# Altium PCB 智能马桶综合检测台_数据板V1.0.PcbDoc (part 8 of 8)
Units mil, origin at the board's own origin, x right, y up, seen from the top; angles counter-clockwise.
Board outline 5580 x 4007.36 mil, 2 copper layers (Top Layer, Bottom Layer); 109 components, 92 nets, 426 pads, 50 vias.
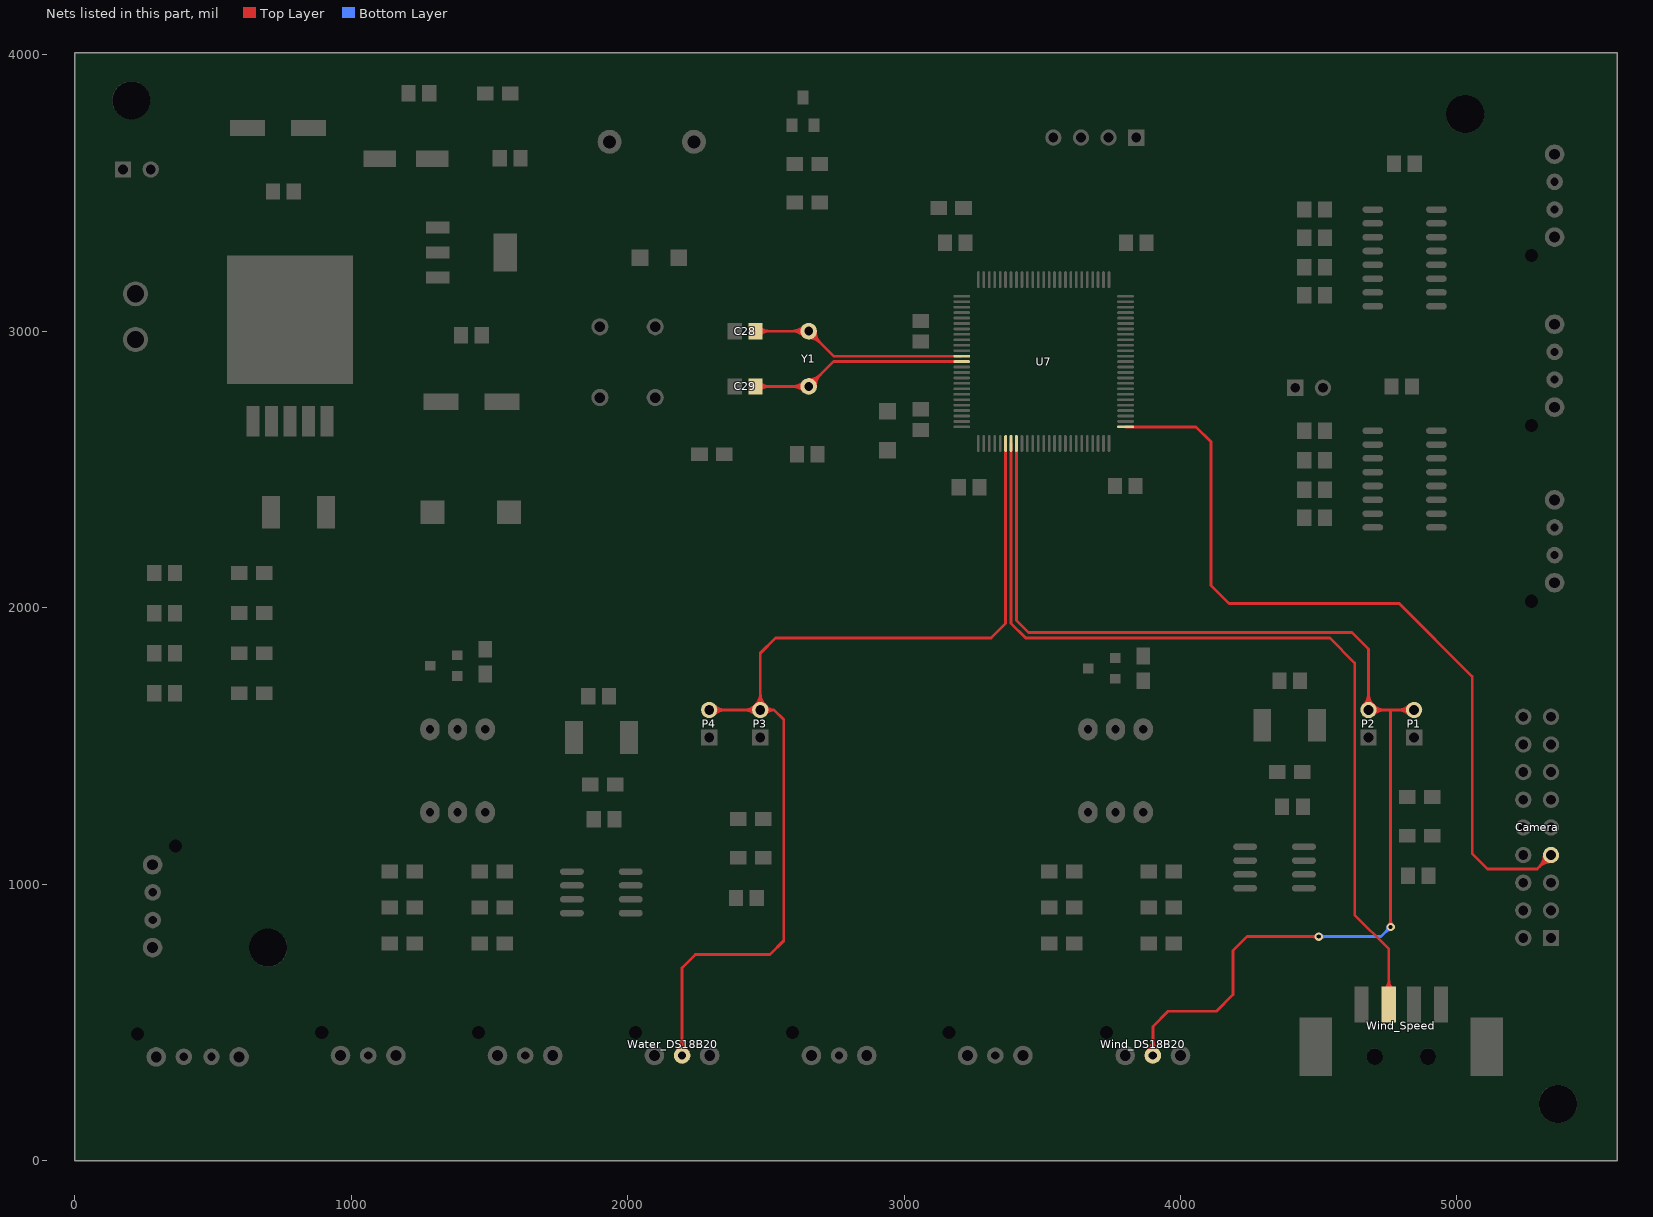
[diagram p8: the nets of this part, all layers, seen from the top]

## Via types
v1: diameter 30, hole 15, Top Layer to Bottom Layer, 31 vias
v2: diameter 40, hole 20, Top Layer to Bottom Layer, 19 vias

## Nets (pads, with @x,y where several pads share a name; then routed paths per layer and width w, separated by ;. In a path a pad name is that pad's centre, name@x,y a point inside that pad or via, vN(x,y) a via of type N, cw(c..) or ccw(c..) an arc to the next point about the centre after c; other vN are vias at no path point) (continued)
WATER_TEMP: P3.2 P4.2 U7.31 Water_DS18B20.2 | length 7848.7
  Top Layer w10: Water_DS18B20.2@2197,380 2197,697 2245,745 2515,745 2565,795 2565,1595 2530,1630 ; P4.2@2295,1630 2530,1630 ; P3.2@2480,1630 2480,1835 2535,1890 3315,1890 3367.2,1942.2 U7.31@3367.2,2593.74 ; Water_DS18B20.2@2179.32,397.68 ccw(c2136.64,440.36) 2197,440.36 ; Water_DS18B20.2@2179.32,397.68 ccw(c2136.64,440.36) 2197,440.36 ; Water_DS18B20.2@2179.32,397.68 ccw(c2136.64,440.36) 2197,440.36 ; Water_DS18B20.2@2179.32,397.68 ccw(c2136.64,440.36) 2197,440.36 ; Water_DS18B20.2@2179.32,397.68 ccw(c2136.64,440.36) 2197,440.36 ; Water_DS18B20.2@2179.32,397.68 ccw(c2136.64,440.36) 2197,440.36 ; Water_DS18B20.2@2186.39,390.61 ccw(c2160.79,416.21) 2197,416.21 ; Water_DS18B20.2@2186.39,390.61 ccw(c2160.79,416.21) 2197,416.21 ; Water_DS18B20.2@2186.39,390.61 ccw(c2160.79,416.21) 2197,416.21 ; Water_DS18B20.2@2186.39,390.61 ccw(c2160.79,416.21) 2197,416.21 ; Water_DS18B20.2@2186.39,390.61 ccw(c2160.79,416.21) 2197,416.21 ; Water_DS18B20.2@2186.39,390.61 ccw(c2160.79,416.21) 2197,416.21 ; 2197,416.21 ccw(c2233.21,416.21) Water_DS18B20.2@2207.61,390.61 ; 2197,416.21 ccw(c2233.21,416.21) Water_DS18B20.2@2207.61,390.61 ; 2197,416.21 ccw(c2233.21,416.21) Water_DS18B20.2@2207.61,390.61 ; 2197,416.21 ccw(c2233.21,416.21) Water_DS18B20.2@2207.61,390.61 ; 2197,416.21 ccw(c2233.21,416.21) Water_DS18B20.2@2207.61,390.61 ; 2197,416.21 ccw(c2233.21,416.21) Water_DS18B20.2@2207.61,390.61 ; 2197,440.36 ccw(c2257.36,440.36) Water_DS18B20.2@2214.68,397.68 ; 2197,440.36 ccw(c2257.36,440.36) Water_DS18B20.2@2214.68,397.68 ; 2197,440.36 ccw(c2257.36,440.36) Water_DS18B20.2@2214.68,397.68 ; 2197,440.36 ccw(c2257.36,440.36) Water_DS18B20.2@2214.68,397.68 ; 2197,440.36 ccw(c2257.36,440.36) Water_DS18B20.2@2214.68,397.68 ; 2197,440.36 ccw(c2257.36,440.36) Water_DS18B20.2@2214.68,397.68 ; P4.2@2305.27,1619.73 cw(c2330.07,1594.93) 2330.07,1630 ; P4.2@2305.27,1619.73 cw(c2330.07,1594.93) 2330.07,1630 ; P4.2@2305.27,1619.73 cw(c2330.07,1594.93) 2330.07,1630 ; P4.2@2305.27,1619.73 cw(c2330.07,1594.93) 2330.07,1630 ; P4.2@2305.27,1619.73 cw(c2330.07,1594.93) 2330.07,1630 ; P4.2@2305.27,1619.73 cw(c2330.07,1594.93) 2330.07,1630 ; P4.2@2305.27,1640.27 ccw(c2330.07,1665.07) 2330.07,1630 ; P4.2@2305.27,1640.27 ccw(c2330.07,1665.07) 2330.07,1630 ; P4.2@2305.27,1640.27 ccw(c2330.07,1665.07) 2330.07,1630 ; P4.2@2305.27,1640.27 ccw(c2330.07,1665.07) 2330.07,1630 ; P4.2@2305.27,1640.27 ccw(c2330.07,1665.07) 2330.07,1630 ; P4.2@2305.27,1640.27 ccw(c2330.07,1665.07) 2330.07,1630 ; P4.2@2312.34,1612.66 cw(c2354.21,1570.79) 2354.21,1630 ; P4.2@2312.34,1612.66 cw(c2354.21,1570.79) 2354.21,1630 ; P4.2@2312.34,1612.66 cw(c2354.21,1570.79) 2354.21,1630 ; P4.2@2312.34,1612.66 cw(c2354.21,1570.79) 2354.21,1630 ; P4.2@2312.34,1612.66 cw(c2354.21,1570.79) 2354.21,1630 ; P4.2@2312.34,1612.66 cw(c2354.21,1570.79) 2354.21,1630 ; P4.2@2312.34,1647.34 ccw(c2354.21,1689.21) 2354.21,1630 ; P4.2@2312.34,1647.34 ccw(c2354.21,1689.21) 2354.21,1630 ; P4.2@2312.34,1647.34 ccw(c2354.21,1689.21) 2354.21,1630 ; P4.2@2312.34,1647.34 ccw(c2354.21,1689.21) 2354.21,1630 ; P4.2@2312.34,1647.34 ccw(c2354.21,1689.21) 2354.21,1630 ; P4.2@2312.34,1647.34 ccw(c2354.21,1689.21) 2354.21,1630 ; 2420.79,1630 cw(c2420.79,1570.79) P3.2@2462.66,1612.66 ; 2420.79,1630 ccw(c2420.79,1689.21) P3.2@2462.66,1647.34 ; 2420.79,1630 ccw(c2420.79,1689.21) P3.2@2462.66,1647.34 ; 2420.79,1630 cw(c2420.79,1570.79) P3.2@2462.66,1612.66 ; 2420.79,1630 ccw(c2420.79,1689.21) P3.2@2462.66,1647.34 ; 2420.79,1630 cw(c2420.79,1570.79) P3.2@2462.66,1612.66 ; 2420.79,1630 ccw(c2420.79,1689.21) P3.2@2462.66,1647.34 ; 2420.79,1630 cw(c2420.79,1570.79) P3.2@2462.66,1612.66 ; 2420.79,1630 ccw(c2420.79,1689.21) P3.2@2462.66,1647.34 ; 2420.79,1630 cw(c2420.79,1570.79) P3.2@2462.66,1612.66 ; 2420.79,1630 ccw(c2420.79,1689.21) P3.2@2462.66,1647.34 ; 2420.79,1630 cw(c2420.79,1570.79) P3.2@2462.66,1612.66 ; 2444.93,1630 cw(c2444.93,1594.93) P3.2@2469.73,1619.73 ; 2444.93,1630 ccw(c2444.93,1665.07) P3.2@2469.73,1640.27 ; 2444.93,1630 ccw(c2444.93,1665.07) P3.2@2469.73,1640.27 ; 2444.93,1630 cw(c2444.93,1594.93) P3.2@2469.73,1619.73 ; 2444.93,1630 ccw(c2444.93,1665.07) P3.2@2469.73,1640.27 ; 2444.93,1630 cw(c2444.93,1594.93) P3.2@2469.73,1619.73 ; 2444.93,1630 ccw(c2444.93,1665.07) P3.2@2469.73,1640.27 ; 2444.93,1630 cw(c2444.93,1594.93) P3.2@2469.73,1619.73 ; 2444.93,1630 ccw(c2444.93,1665.07) P3.2@2469.73,1640.27 ; 2444.93,1630 cw(c2444.93,1594.93) P3.2@2469.73,1619.73 ; 2444.93,1630 ccw(c2444.93,1665.07) P3.2@2469.73,1640.27 ; 2444.93,1630 cw(c2444.93,1594.93) P3.2@2469.73,1619.73 ; P3.2@2462.66,1647.34 ccw(c2420.79,1689.21) 2480,1689.21 ; P3.2@2462.66,1647.34 ccw(c2420.79,1689.21) 2480,1689.21 ; P3.2@2462.66,1647.34 ccw(c2420.79,1689.21) 2480,1689.21 ; P3.2@2462.66,1647.34 ccw(c2420.79,1689.21) 2480,1689.21 ; P3.2@2462.66,1647.34 ccw(c2420.79,1689.21) 2480,1689.21 ; P3.2@2462.66,1647.34 ccw(c2420.79,1689.21) 2480,1689.21 ; P3.2@2469.73,1640.27 ccw(c2444.93,1665.07) 2480,1665.07 ; P3.2@2469.73,1640.27 ccw(c2444.93,1665.07) 2480,1665.07 ; P3.2@2469.73,1640.27 ccw(c2444.93,1665.07) 2480,1665.07 ; P3.2@2469.73,1640.27 ccw(c2444.93,1665.07) 2480,1665.07 ; P3.2@2469.73,1640.27 ccw(c2444.93,1665.07) 2480,1665.07 ; P3.2@2469.73,1640.27 ccw(c2444.93,1665.07) 2480,1665.07 ; 2480,1665.07 ccw(c2515.07,1665.07) P3.2@2490.27,1640.27 ; 2480,1665.07 ccw(c2515.07,1665.07) P3.2@2490.27,1640.27 ; 2480,1665.07 ccw(c2515.07,1665.07) P3.2@2490.27,1640.27 ; 2480,1665.07 ccw(c2515.07,1665.07) P3.2@2490.27,1640.27 ; 2480,1665.07 ccw(c2515.07,1665.07) P3.2@2490.27,1640.27 ; 2480,1665.07 ccw(c2515.07,1665.07) P3.2@2490.27,1640.27 ; 2480,1689.21 ccw(c2539.21,1689.21) P3.2@2497.34,1647.34 ; 2480,1689.21 ccw(c2539.21,1689.21) P3.2@2497.34,1647.34 ; 2480,1689.21 ccw(c2539.21,1689.21) P3.2@2497.34,1647.34 ; 2480,1689.21 ccw(c2539.21,1689.21) P3.2@2497.34,1647.34 ; 2480,1689.21 ccw(c2539.21,1689.21) P3.2@2497.34,1647.34 ; 2480,1689.21 ccw(c2539.21,1689.21) P3.2@2497.34,1647.34 ; P3.2@2491.49,1621.11 cw(c2509.61,1607.08) 2509.61,1630 ; P3.2@2491.49,1621.11 cw(c2509.61,1607.08) 2509.61,1630 ; P3.2@2491.49,1621.11 cw(c2509.61,1607.08) 2509.61,1630 ; P3.2@2491.49,1621.11 cw(c2509.61,1607.08) 2509.61,1630 ; P3.2@2491.49,1621.11 cw(c2509.61,1607.08) 2509.61,1630 ; P3.2@2491.49,1621.11 cw(c2509.61,1607.08) 2509.61,1630 ; P3.2@2491.49,1638.89 ccw(c2509.61,1652.92) 2509.61,1630 ; P3.2@2491.49,1638.89 ccw(c2509.61,1652.92) 2509.61,1630 ; P3.2@2491.49,1638.89 ccw(c2509.61,1652.92) 2509.61,1630 ; P3.2@2491.49,1638.89 ccw(c2509.61,1652.92) 2509.61,1630 ; P3.2@2491.49,1638.89 ccw(c2509.61,1652.92) 2509.61,1630 ; P3.2@2491.49,1638.89 ccw(c2509.61,1652.92) 2509.61,1630 ; P3.2@2499.4,1614.99 cw(c2530,1591.31) 2530,1630 ; P3.2@2499.4,1614.99 cw(c2530,1591.31) 2530,1630 ; P3.2@2499.4,1614.99 cw(c2530,1591.31) 2530,1630 ; P3.2@2499.4,1614.99 cw(c2530,1591.31) 2530,1630 ; P3.2@2499.4,1614.99 cw(c2530,1591.31) 2530,1630 ; P3.2@2499.4,1614.99 cw(c2530,1591.31) 2530,1630 ; P3.2@2499.4,1645.01 ccw(c2530,1668.69) 2530,1630 ; P3.2@2499.4,1645.01 ccw(c2530,1668.69) 2530,1630 ; P3.2@2499.4,1645.01 ccw(c2530,1668.69) 2530,1630 ; P3.2@2499.4,1645.01 ccw(c2530,1668.69) 2530,1630 ; P3.2@2499.4,1645.01 ccw(c2530,1668.69) 2530,1630 ; P3.2@2499.4,1645.01 ccw(c2530,1668.69) 2530,1630
WIND_SPEED: U7.32 Wind_Speed.2 | length 3707.6
  Top Layer w10: U7.32@3386.89,2593.74 3386.89,1943.11 3440,1890 4540,1890 4630,1800 4630,888.42 4753.42,765 Wind_Speed.2@4753.42,565 ; Wind_Speed.2@4738.87,618.93 ccw(c4703.72,654.08) 4753.43,654.08 ; Wind_Speed.2@4738.87,618.93 ccw(c4703.72,654.08) 4753.43,654.08 ; Wind_Speed.2@4738.87,618.93 ccw(c4703.72,654.08) 4753.43,654.08 ; Wind_Speed.2@4738.87,618.93 ccw(c4703.72,654.08) 4753.43,654.08 ; Wind_Speed.2@4738.87,618.93 ccw(c4703.72,654.08) 4753.43,654.08 ; Wind_Speed.2@4738.87,618.93 ccw(c4703.72,654.08) 4753.43,654.08 ; 4753.42,654.08 ccw(c4803.13,654.08) Wind_Speed.2@4767.98,618.93 ; 4753.42,654.08 ccw(c4803.13,654.08) Wind_Speed.2@4767.98,618.93 ; 4753.42,654.08 ccw(c4803.13,654.08) Wind_Speed.2@4767.98,618.93 ; 4753.42,654.08 ccw(c4803.13,654.08) Wind_Speed.2@4767.98,618.93 ; 4753.42,654.08 ccw(c4803.13,654.08) Wind_Speed.2@4767.98,618.93 ; 4753.42,654.08 ccw(c4803.13,654.08) Wind_Speed.2@4767.98,618.93
WIND_TEMP: P1.2 P2.2 U7.33 Wind_DS18B20.2 | length 8820.6
  Top Layer w10: U7.33@3406.57,2593.74 3406.57,1953.43 3450,1910 4620,1910 4680,1850 P2.2@4680,1630 P1.2@4845,1630 ; Wind_DS18B20.2@3900,380 3900,485 3955,540 4130,540 4190,600 4190,760 4240,810 v1(4500,810) ; v1(4760,845) 4760,1630 ; Wind_DS18B20.2@3882.32,397.68 ccw(c3839.64,440.36) 3900,440.36 ; Wind_DS18B20.2@3882.32,397.68 ccw(c3839.64,440.36) 3900,440.36 ; Wind_DS18B20.2@3882.32,397.68 ccw(c3839.64,440.36) 3900,440.36 ; Wind_DS18B20.2@3882.32,397.68 ccw(c3839.64,440.36) 3900,440.36 ; Wind_DS18B20.2@3882.32,397.68 ccw(c3839.64,440.36) 3900,440.36 ; Wind_DS18B20.2@3882.32,397.68 ccw(c3839.64,440.36) 3900,440.36 ; Wind_DS18B20.2@3889.39,390.61 ccw(c3863.79,416.21) 3900,416.21 ; Wind_DS18B20.2@3889.39,390.61 ccw(c3863.79,416.21) 3900,416.21 ; Wind_DS18B20.2@3889.39,390.61 ccw(c3863.79,416.21) 3900,416.21 ; Wind_DS18B20.2@3889.39,390.61 ccw(c3863.79,416.21) 3900,416.21 ; Wind_DS18B20.2@3889.39,390.61 ccw(c3863.79,416.21) 3900,416.21 ; Wind_DS18B20.2@3889.39,390.61 ccw(c3863.79,416.21) 3900,416.21 ; 3900,416.21 ccw(c3936.21,416.21) Wind_DS18B20.2@3910.61,390.61 ; 3900,416.21 ccw(c3936.21,416.21) Wind_DS18B20.2@3910.61,390.61 ; 3900,416.21 ccw(c3936.21,416.21) Wind_DS18B20.2@3910.61,390.61 ; 3900,416.21 ccw(c3936.21,416.21) Wind_DS18B20.2@3910.61,390.61 ; 3900,416.21 ccw(c3936.21,416.21) Wind_DS18B20.2@3910.61,390.61 ; 3900,416.21 ccw(c3936.21,416.21) Wind_DS18B20.2@3910.61,390.61 ; 3900,440.36 ccw(c3960.36,440.36) Wind_DS18B20.2@3917.68,397.68 ; 3900,440.36 ccw(c3960.36,440.36) Wind_DS18B20.2@3917.68,397.68 ; 3900,440.36 ccw(c3960.36,440.36) Wind_DS18B20.2@3917.68,397.68 ; 3900,440.36 ccw(c3960.36,440.36) Wind_DS18B20.2@3917.68,397.68 ; 3900,440.36 ccw(c3960.36,440.36) Wind_DS18B20.2@3917.68,397.68 ; 3900,440.36 ccw(c3960.36,440.36) Wind_DS18B20.2@3917.68,397.68 ; 4475.86,810 cw(c4475.86,785.86) v1@4492.93,802.93 ; 4475.86,810 ccw(c4475.86,834.14) v1@4492.93,817.07 ; 4475.86,810 ccw(c4475.86,834.14) v1@4492.93,817.07 ; 4475.86,810 cw(c4475.86,785.86) v1@4492.93,802.93 ; 4475.86,810 ccw(c4475.86,834.14) v1@4492.93,817.07 ; 4475.86,810 cw(c4475.86,785.86) v1@4492.93,802.93 ; 4475.86,810 ccw(c4475.86,834.14) v1@4492.93,817.07 ; 4475.86,810 cw(c4475.86,785.86) v1@4492.93,802.93 ; 4475.86,810 ccw(c4475.86,834.14) v1@4492.93,817.07 ; 4475.86,810 cw(c4475.86,785.86) v1@4492.93,802.93 ; 4475.86,810 ccw(c4475.86,834.14) v1@4492.93,817.07 ; 4475.86,810 cw(c4475.86,785.86) v1@4492.93,802.93 ; P2.2@4662.66,1647.34 ccw(c4620.79,1689.21) 4680,1689.21 ; P2.2@4662.66,1647.34 ccw(c4620.79,1689.21) 4680,1689.21 ; P2.2@4662.66,1647.34 ccw(c4620.79,1689.21) 4680,1689.21 ; P2.2@4662.66,1647.34 ccw(c4620.79,1689.21) 4680,1689.21 ; P2.2@4662.66,1647.34 ccw(c4620.79,1689.21) 4680,1689.21 ; P2.2@4662.66,1647.34 ccw(c4620.79,1689.21) 4680,1689.21 ; P2.2@4669.73,1640.27 ccw(c4644.93,1665.07) 4680,1665.07 ; P2.2@4669.73,1640.27 ccw(c4644.93,1665.07) 4680,1665.07 ; P2.2@4669.73,1640.27 ccw(c4644.93,1665.07) 4680,1665.07 ; P2.2@4669.73,1640.27 ccw(c4644.93,1665.07) 4680,1665.07 ; P2.2@4669.73,1640.27 ccw(c4644.93,1665.07) 4680,1665.07 ; P2.2@4669.73,1640.27 ccw(c4644.93,1665.07) 4680,1665.07 ; 4680,1665.07 ccw(c4715.07,1665.07) P2.2@4690.27,1640.27 ; 4680,1665.07 ccw(c4715.07,1665.07) P2.2@4690.27,1640.27 ; 4680,1665.07 ccw(c4715.07,1665.07) P2.2@4690.27,1640.27 ; 4680,1665.07 ccw(c4715.07,1665.07) P2.2@4690.27,1640.27 ; 4680,1665.07 ccw(c4715.07,1665.07) P2.2@4690.27,1640.27 ; 4680,1665.07 ccw(c4715.07,1665.07) P2.2@4690.27,1640.27 ; 4680,1689.21 ccw(c4739.21,1689.21) P2.2@4697.34,1647.34 ; 4680,1689.21 ccw(c4739.21,1689.21) P2.2@4697.34,1647.34 ; 4680,1689.21 ccw(c4739.21,1689.21) P2.2@4697.34,1647.34 ; 4680,1689.21 ccw(c4739.21,1689.21) P2.2@4697.34,1647.34 ; 4680,1689.21 ccw(c4739.21,1689.21) P2.2@4697.34,1647.34 ; 4680,1689.21 ccw(c4739.21,1689.21) P2.2@4697.34,1647.34 ; P2.2@4690.27,1619.73 cw(c4715.07,1594.93) 4715.07,1630 ; P2.2@4690.27,1619.73 cw(c4715.07,1594.93) 4715.07,1630 ; P2.2@4690.27,1619.73 cw(c4715.07,1594.93) 4715.07,1630 ; P2.2@4690.27,1619.73 cw(c4715.07,1594.93) 4715.07,1630 ; P2.2@4690.27,1619.73 cw(c4715.07,1594.93) 4715.07,1630 ; P2.2@4690.27,1619.73 cw(c4715.07,1594.93) 4715.07,1630 ; P2.2@4690.27,1640.27 ccw(c4715.07,1665.07) 4715.07,1630 ; P2.2@4690.27,1640.27 ccw(c4715.07,1665.07) 4715.07,1630 ; P2.2@4690.27,1640.27 ccw(c4715.07,1665.07) 4715.07,1630 ; P2.2@4690.27,1640.27 ccw(c4715.07,1665.07) 4715.07,1630 ; P2.2@4690.27,1640.27 ccw(c4715.07,1665.07) 4715.07,1630 ; P2.2@4690.27,1640.27 ccw(c4715.07,1665.07) 4715.07,1630 ; P2.2@4697.34,1612.66 cw(c4739.21,1570.79) 4739.21,1630 ; P2.2@4697.34,1612.66 cw(c4739.21,1570.79) 4739.21,1630 ; P2.2@4697.34,1612.66 cw(c4739.21,1570.79) 4739.21,1630 ; P2.2@4697.34,1612.66 cw(c4739.21,1570.79) 4739.21,1630 ; P2.2@4697.34,1612.66 cw(c4739.21,1570.79) 4739.21,1630 ; P2.2@4697.34,1612.66 cw(c4739.21,1570.79) 4739.21,1630 ; P2.2@4697.34,1647.34 ccw(c4739.21,1689.21) 4739.21,1630 ; P2.2@4697.34,1647.34 ccw(c4739.21,1689.21) 4739.21,1630 ; P2.2@4697.34,1647.34 ccw(c4739.21,1689.21) 4739.21,1630 ; P2.2@4697.34,1647.34 ccw(c4739.21,1689.21) 4739.21,1630 ; P2.2@4697.34,1647.34 ccw(c4739.21,1689.21) 4739.21,1630 ; P2.2@4697.34,1647.34 ccw(c4739.21,1689.21) 4739.21,1630 ; v1@4752.93,852.07 ccw(c4735.86,869.14) 4760,869.14 ; v1@4752.93,852.07 ccw(c4735.86,869.14) 4760,869.14 ; v1@4752.93,852.07 ccw(c4735.86,869.14) 4760,869.14 ; v1@4752.93,852.07 ccw(c4735.86,869.14) 4760,869.14 ; v1@4752.93,852.07 ccw(c4735.86,869.14) 4760,869.14 ; v1@4752.93,852.07 ccw(c4735.86,869.14) 4760,869.14 ; 4760,869.14 ccw(c4784.14,869.14) v1@4767.07,852.07 ; 4760,869.14 ccw(c4784.14,869.14) v1@4767.07,852.07 ; 4760,869.14 ccw(c4784.14,869.14) v1@4767.07,852.07 ; 4760,869.14 ccw(c4784.14,869.14) v1@4767.07,852.07 ; 4760,869.14 ccw(c4784.14,869.14) v1@4767.07,852.07 ; 4760,869.14 ccw(c4784.14,869.14) v1@4767.07,852.07 ; 4785.79,1630 cw(c4785.79,1570.79) P1.2@4827.66,1612.66 ; 4785.79,1630 ccw(c4785.79,1689.21) P1.2@4827.66,1647.34 ; 4785.79,1630 ccw(c4785.79,1689.21) P1.2@4827.66,1647.34 ; 4785.79,1630 cw(c4785.79,1570.79) P1.2@4827.66,1612.66 ; 4785.79,1630 ccw(c4785.79,1689.21) P1.2@4827.66,1647.34 ; 4785.79,1630 cw(c4785.79,1570.79) P1.2@4827.66,1612.66 ; 4785.79,1630 ccw(c4785.79,1689.21) P1.2@4827.66,1647.34 ; 4785.79,1630 cw(c4785.79,1570.79) P1.2@4827.66,1612.66 ; 4785.79,1630 ccw(c4785.79,1689.21) P1.2@4827.66,1647.34 ; 4785.79,1630 cw(c4785.79,1570.79) P1.2@4827.66,1612.66 ; 4785.79,1630 ccw(c4785.79,1689.21) P1.2@4827.66,1647.34 ; 4785.79,1630 cw(c4785.79,1570.79) P1.2@4827.66,1612.66 ; 4809.93,1630 cw(c4809.93,1594.93) P1.2@4834.73,1619.73 ; 4809.93,1630 ccw(c4809.93,1665.07) P1.2@4834.73,1640.27 ; 4809.93,1630 ccw(c4809.93,1665.07) P1.2@4834.73,1640.27 ; 4809.93,1630 cw(c4809.93,1594.93) P1.2@4834.73,1619.73 ; 4809.93,1630 ccw(c4809.93,1665.07) P1.2@4834.73,1640.27 ; 4809.93,1630 cw(c4809.93,1594.93) P1.2@4834.73,1619.73 ; 4809.93,1630 ccw(c4809.93,1665.07) P1.2@4834.73,1640.27 ; 4809.93,1630 cw(c4809.93,1594.93) P1.2@4834.73,1619.73 ; 4809.93,1630 ccw(c4809.93,1665.07) P1.2@4834.73,1640.27 ; 4809.93,1630 cw(c4809.93,1594.93) P1.2@4834.73,1619.73 ; 4809.93,1630 ccw(c4809.93,1665.07) P1.2@4834.73,1640.27 ; 4809.93,1630 cw(c4809.93,1594.93) P1.2@4834.73,1619.73
  Bottom Layer w10: v1(4500,810) 4725,810 v1(4760,845) ; v1@4507.07,802.93 cw(c4524.14,785.86) 4524.14,810 ; v1@4507.07,802.93 cw(c4524.14,785.86) 4524.14,810 ; v1@4507.07,802.93 cw(c4524.14,785.86) 4524.14,810 ; v1@4507.07,802.93 cw(c4524.14,785.86) 4524.14,810 ; v1@4507.07,802.93 cw(c4524.14,785.86) 4524.14,810 ; v1@4507.07,802.93 cw(c4524.14,785.86) 4524.14,810 ; v1@4507.07,817.07 ccw(c4524.14,834.14) 4524.14,810 ; v1@4507.07,817.07 ccw(c4524.14,834.14) 4524.14,810 ; v1@4507.07,817.07 ccw(c4524.14,834.14) 4524.14,810 ; v1@4507.07,817.07 ccw(c4524.14,834.14) 4524.14,810 ; v1@4507.07,817.07 ccw(c4524.14,834.14) 4524.14,810 ; v1@4507.07,817.07 ccw(c4524.14,834.14) 4524.14,810 ; 4742.93,827.93 cw(c4760,810.86) v1@4760,835 ; 4742.93,827.93 ccw(c4725.86,845) v1@4750,845 ; 4742.93,827.93 ccw(c4725.86,845) v1@4750,845 ; 4742.93,827.93 cw(c4760,810.86) v1@4760,835 ; 4742.93,827.93 ccw(c4725.86,845) v1@4750,845 ; 4742.93,827.93 cw(c4760,810.86) v1@4760,835 ; 4742.93,827.93 ccw(c4725.86,845) v1@4750,845 ; 4742.93,827.93 cw(c4760,810.86) v1@4760,835 ; 4742.93,827.93 ccw(c4725.86,845) v1@4750,845 ; 4742.93,827.93 cw(c4760,810.86) v1@4760,835 ; 4742.93,827.93 ccw(c4725.86,845) v1@4750,845 ; 4742.93,827.93 cw(c4760,810.86) v1@4760,835
XCLK: Camera.7 U7.51 | length 3790.6
  Top Layer w10: U7.51@3801.26,2653.78 4056.22,2653.78 4109.91,2600.09 4109.91,2080.09 4175,2015 4791.34,2015 5055,1751.34 5055,1110 5110,1055 5290,1055 Camera.7@5340,1105 ; 5298.13,1063.13 cw(c5340,1021.26) Camera.7@5340,1080.47 ; 5298.13,1063.13 ccw(c5256.26,1105) Camera.7@5315.47,1105 ; 5298.13,1063.13 ccw(c5256.26,1105) Camera.7@5315.47,1105 ; 5298.13,1063.13 cw(c5340,1021.26) Camera.7@5340,1080.47 ; 5298.13,1063.13 ccw(c5256.26,1105) Camera.7@5315.47,1105 ; 5298.13,1063.13 cw(c5340,1021.26) Camera.7@5340,1080.47 ; 5298.13,1063.13 ccw(c5256.26,1105) Camera.7@5315.47,1105 ; 5298.13,1063.13 cw(c5340,1021.26) Camera.7@5340,1080.47 ; 5298.13,1063.13 ccw(c5256.26,1105) Camera.7@5315.47,1105 ; 5298.13,1063.13 cw(c5340,1021.26) Camera.7@5340,1080.47 ; 5298.13,1063.13 ccw(c5256.26,1105) Camera.7@5315.47,1105 ; 5298.13,1063.13 cw(c5340,1021.26) Camera.7@5340,1080.47 ; 5315.2,1080.2 cw(c5340,1055.4) Camera.7@5340,1090.47 ; 5315.2,1080.2 ccw(c5290.4,1105) Camera.7@5325.47,1105 ; 5315.2,1080.2 ccw(c5290.4,1105) Camera.7@5325.47,1105 ; 5315.2,1080.2 cw(c5340,1055.4) Camera.7@5340,1090.47 ; 5315.2,1080.2 ccw(c5290.4,1105) Camera.7@5325.47,1105 ; 5315.2,1080.2 cw(c5340,1055.4) Camera.7@5340,1090.47 ; 5315.2,1080.2 ccw(c5290.4,1105) Camera.7@5325.47,1105 ; 5315.2,1080.2 cw(c5340,1055.4) Camera.7@5340,1090.47 ; 5315.2,1080.2 ccw(c5290.4,1105) Camera.7@5325.47,1105 ; 5315.2,1080.2 cw(c5340,1055.4) Camera.7@5340,1090.47 ; 5315.2,1080.2 ccw(c5290.4,1105) Camera.7@5325.47,1105 ; 5315.2,1080.2 cw(c5340,1055.4) Camera.7@5340,1090.47
XIN: C28.2 U7.12 Y1.1 | length 3072.5
  Top Layer w10: C28.2@2462.4,3000 Y1.1@2655,3000 2745.31,2909.69 U7.12@3208.74,2909.69 ; C28.2@2476.96,2985.44 cw(c2512.11,2950.29) 2512.11,3000 ; C28.2@2476.96,2985.44 cw(c2512.11,2950.29) 2512.11,3000 ; C28.2@2476.96,2985.44 cw(c2512.11,2950.29) 2512.11,3000 ; C28.2@2476.96,2985.44 cw(c2512.11,2950.29) 2512.11,3000 ; C28.2@2476.96,2985.44 cw(c2512.11,2950.29) 2512.11,3000 ; C28.2@2476.96,2985.44 cw(c2512.11,2950.29) 2512.11,3000 ; C28.2@2476.96,3014.56 ccw(c2512.11,3049.71) 2512.11,3000 ; C28.2@2476.96,3014.56 ccw(c2512.11,3049.71) 2512.11,3000 ; C28.2@2476.96,3014.56 ccw(c2512.11,3049.71) 2512.11,3000 ; C28.2@2476.96,3014.56 ccw(c2512.11,3049.71) 2512.11,3000 ; C28.2@2476.96,3014.56 ccw(c2512.11,3049.71) 2512.11,3000 ; C28.2@2476.96,3014.56 ccw(c2512.11,3049.71) 2512.11,3000 ; 2594.64,3000 cw(c2594.64,2939.64) Y1.1@2637.32,2982.32 ; 2594.64,3000 ccw(c2594.64,3060.36) Y1.1@2637.32,3017.68 ; 2594.64,3000 ccw(c2594.64,3060.36) Y1.1@2637.32,3017.68 ; 2594.64,3000 cw(c2594.64,2939.64) Y1.1@2637.32,2982.32 ; 2594.64,3000 ccw(c2594.64,3060.36) Y1.1@2637.32,3017.68 ; 2594.64,3000 cw(c2594.64,2939.64) Y1.1@2637.32,2982.32 ; 2594.64,3000 ccw(c2594.64,3060.36) Y1.1@2637.32,3017.68 ; 2594.64,3000 cw(c2594.64,2939.64) Y1.1@2637.32,2982.32 ; 2594.64,3000 ccw(c2594.64,3060.36) Y1.1@2637.32,3017.68 ; 2594.64,3000 cw(c2594.64,2939.64) Y1.1@2637.32,2982.32 ; 2594.64,3000 ccw(c2594.64,3060.36) Y1.1@2637.32,3017.68 ; 2594.64,3000 cw(c2594.64,2939.64) Y1.1@2637.32,2982.32 ; 2618.79,3000 cw(c2618.79,2963.79) Y1.1@2644.39,2989.39 ; 2618.79,3000 ccw(c2618.79,3036.21) Y1.1@2644.39,3010.61 ; 2618.79,3000 ccw(c2618.79,3036.21) Y1.1@2644.39,3010.61 ; 2618.79,3000 cw(c2618.79,2963.79) Y1.1@2644.39,2989.39 ; 2618.79,3000 ccw(c2618.79,3036.21) Y1.1@2644.39,3010.61 ; 2618.79,3000 cw(c2618.79,2963.79) Y1.1@2644.39,2989.39 ; 2618.79,3000 ccw(c2618.79,3036.21) Y1.1@2644.39,3010.61 ; 2618.79,3000 cw(c2618.79,2963.79) Y1.1@2644.39,2989.39 ; 2618.79,3000 ccw(c2618.79,3036.21) Y1.1@2644.39,3010.61 ; 2618.79,3000 cw(c2618.79,2963.79) Y1.1@2644.39,2989.39 ; 2618.79,3000 ccw(c2618.79,3036.21) Y1.1@2644.39,3010.61 ; 2618.79,3000 cw(c2618.79,2963.79) Y1.1@2644.39,2989.39 ; Y1.1@2655,2975 cw(c2655,2914.64) 2697.68,2957.32 ; Y1.1@2655,2975 cw(c2655,2914.64) 2697.68,2957.32 ; Y1.1@2655,2975 cw(c2655,2914.64) 2697.68,2957.32 ; Y1.1@2655,2975 cw(c2655,2914.64) 2697.68,2957.32 ; Y1.1@2655,2975 cw(c2655,2914.64) 2697.68,2957.32 ; Y1.1@2655,2975 cw(c2655,2914.64) 2697.68,2957.32 ; Y1.1@2655,2985 cw(c2655,2948.79) 2680.61,2974.39 ; Y1.1@2655,2985 cw(c2655,2948.79) 2680.61,2974.39 ; Y1.1@2655,2985 cw(c2655,2948.79) 2680.61,2974.39 ; Y1.1@2655,2985 cw(c2655,2948.79) 2680.61,2974.39 ; Y1.1@2655,2985 cw(c2655,2948.79) 2680.61,2974.39 ; Y1.1@2655,2985 cw(c2655,2948.79) 2680.61,2974.39 ; Y1.1@2670,3000 ccw(c2706.21,3000) 2680.61,2974.39 ; Y1.1@2670,3000 ccw(c2706.21,3000) 2680.61,2974.39 ; Y1.1@2670,3000 ccw(c2706.21,3000) 2680.61,2974.39 ; Y1.1@2670,3000 ccw(c2706.21,3000) 2680.61,2974.39 ; Y1.1@2670,3000 ccw(c2706.21,3000) 2680.61,2974.39 ; Y1.1@2670,3000 ccw(c2706.21,3000) 2680.61,2974.39 ; Y1.1@2680,3000 ccw(c2740.36,3000) 2697.68,2957.32 ; Y1.1@2680,3000 ccw(c2740.36,3000) 2697.68,2957.32 ; Y1.1@2680,3000 ccw(c2740.36,3000) 2697.68,2957.32 ; Y1.1@2680,3000 ccw(c2740.36,3000) 2697.68,2957.32 ; Y1.1@2680,3000 ccw(c2740.36,3000) 2697.68,2957.32 ; Y1.1@2680,3000 ccw(c2740.36,3000) 2697.68,2957.32
XOUT: C29.2 U7.13 Y1.2 | length 3072.4
  Top Layer w10: C29.2@2462.4,2800 Y1.2@2655,2800 2745,2890 U7.13@3208.74,2890 ; C29.2@2476.96,2785.44 cw(c2512.11,2750.29) 2512.11,2800 ; C29.2@2476.96,2785.44 cw(c2512.11,2750.29) 2512.11,2800 ; C29.2@2476.96,2785.44 cw(c2512.11,2750.29) 2512.11,2800 ; C29.2@2476.96,2785.44 cw(c2512.11,2750.29) 2512.11,2800 ; C29.2@2476.96,2785.44 cw(c2512.11,2750.29) 2512.11,2800 ; C29.2@2476.96,2785.44 cw(c2512.11,2750.29) 2512.11,2800 ; C29.2@2476.96,2814.56 ccw(c2512.11,2849.71) 2512.11,2800 ; C29.2@2476.96,2814.56 ccw(c2512.11,2849.71) 2512.11,2800 ; C29.2@2476.96,2814.56 ccw(c2512.11,2849.71) 2512.11,2800 ; C29.2@2476.96,2814.56 ccw(c2512.11,2849.71) 2512.11,2800 ; C29.2@2476.96,2814.56 ccw(c2512.11,2849.71) 2512.11,2800 ; C29.2@2476.96,2814.56 ccw(c2512.11,2849.71) 2512.11,2800 ; 2594.64,2800 cw(c2594.64,2739.64) Y1.2@2637.32,2782.32 ; 2594.64,2800 ccw(c2594.64,2860.36) Y1.2@2637.32,2817.68 ; 2594.64,2800 ccw(c2594.64,2860.36) Y1.2@2637.32,2817.68 ; 2594.64,2800 cw(c2594.64,2739.64) Y1.2@2637.32,2782.32 ; 2594.64,2800 ccw(c2594.64,2860.36) Y1.2@2637.32,2817.68 ; 2594.64,2800 cw(c2594.64,2739.64) Y1.2@2637.32,2782.32 ; 2594.64,2800 ccw(c2594.64,2860.36) Y1.2@2637.32,2817.68 ; 2594.64,2800 cw(c2594.64,2739.64) Y1.2@2637.32,2782.32 ; 2594.64,2800 ccw(c2594.64,2860.36) Y1.2@2637.32,2817.68 ; 2594.64,2800 cw(c2594.64,2739.64) Y1.2@2637.32,2782.32 ; 2594.64,2800 ccw(c2594.64,2860.36) Y1.2@2637.32,2817.68 ; 2594.64,2800 cw(c2594.64,2739.64) Y1.2@2637.32,2782.32 ; 2618.79,2800 cw(c2618.79,2763.79) Y1.2@2644.39,2789.39 ; 2618.79,2800 ccw(c2618.79,2836.21) Y1.2@2644.39,2810.61 ; 2618.79,2800 ccw(c2618.79,2836.21) Y1.2@2644.39,2810.61 ; 2618.79,2800 cw(c2618.79,2763.79) Y1.2@2644.39,2789.39 ; 2618.79,2800 ccw(c2618.79,2836.21) Y1.2@2644.39,2810.61 ; 2618.79,2800 cw(c2618.79,2763.79) Y1.2@2644.39,2789.39 ; 2618.79,2800 ccw(c2618.79,2836.21) Y1.2@2644.39,2810.61 ; 2618.79,2800 cw(c2618.79,2763.79) Y1.2@2644.39,2789.39 ; 2618.79,2800 ccw(c2618.79,2836.21) Y1.2@2644.39,2810.61 ; 2618.79,2800 cw(c2618.79,2763.79) Y1.2@2644.39,2789.39 ; 2618.79,2800 ccw(c2618.79,2836.21) Y1.2@2644.39,2810.61 ; 2618.79,2800 cw(c2618.79,2763.79) Y1.2@2644.39,2789.39 ; Y1.2@2655,2815 ccw(c2655,2851.21) 2680.61,2825.61 ; Y1.2@2655,2815 ccw(c2655,2851.21) 2680.61,2825.61 ; Y1.2@2655,2815 ccw(c2655,2851.21) 2680.61,2825.61 ; Y1.2@2655,2815 ccw(c2655,2851.21) 2680.61,2825.61 ; Y1.2@2655,2815 ccw(c2655,2851.21) 2680.61,2825.61 ; Y1.2@2655,2815 ccw(c2655,2851.21) 2680.61,2825.61 ; Y1.2@2655,2825 ccw(c2655,2885.36) 2697.68,2842.68 ; Y1.2@2655,2825 ccw(c2655,2885.36) 2697.68,2842.68 ; Y1.2@2655,2825 ccw(c2655,2885.36) 2697.68,2842.68 ; Y1.2@2655,2825 ccw(c2655,2885.36) 2697.68,2842.68 ; Y1.2@2655,2825 ccw(c2655,2885.36) 2697.68,2842.68 ; Y1.2@2655,2825 ccw(c2655,2885.36) 2697.68,2842.68 ; Y1.2@2670,2800 cw(c2706.21,2800) 2680.61,2825.61 ; Y1.2@2670,2800 cw(c2706.21,2800) 2680.61,2825.61 ; Y1.2@2670,2800 cw(c2706.21,2800) 2680.61,2825.61 ; Y1.2@2670,2800 cw(c2706.21,2800) 2680.61,2825.61 ; Y1.2@2670,2800 cw(c2706.21,2800) 2680.61,2825.61 ; Y1.2@2670,2800 cw(c2706.21,2800) 2680.61,2825.61 ; Y1.2@2680,2800 cw(c2740.36,2800) 2697.68,2842.68 ; Y1.2@2680,2800 cw(c2740.36,2800) 2697.68,2842.68 ; Y1.2@2680,2800 cw(c2740.36,2800) 2697.68,2842.68 ; Y1.2@2680,2800 cw(c2740.36,2800) 2697.68,2842.68 ; Y1.2@2680,2800 cw(c2740.36,2800) 2697.68,2842.68 ; Y1.2@2680,2800 cw(c2740.36,2800) 2697.68,2842.68
pads on no net: DB_232.0 DB_TTL.0 SeatTemp_232.0 U1.3@779.31,3041.01 U2.4 U3.7 U3.8 U3.9 U3.10 U4.7 U4.8 U4.9 U4.10 U5.5 U5.6 U5.7 U7.2 U7.3 U7.4 U7.5 U7.7 U7.8 U7.9 U7.23 U7.24 U7.34 U7.35 U7.36 U7.37 U7.38 U7.39 U7.40 U7.41 U7.42 U7.43 U7.44 U7.63 U7.64 U7.65 U7.66 U7.67 U7.70 U7.71 U7.73 U7.77 U7.81 U7.82 U7.84 U7.85 U7.86 U7.87 U7.88 U7.89 U7.90 U7.91 U7.92 U7.93 U7.95 U7.96 U7.97 U7.98 U9.5 U9.6 U9.7 USART2.0 Water_DS18B20.0 Water_Pressure.0 WaterPT100_1.0 WaterPT100_1.3 WaterPT100_2.0 Wind_DS18B20.0 Wind_Speed.3 Wind_Speed.5 Wind_Speed.6 WindPT100_1.0 WindPT100_1.3 WindPT100_2.0

## Polygon pours and split planes (outlines as drawn)
AGND on Bottom Layer "Top Layer-No Net" (solid, remove dead copper, pour order 1000): 0,4007.36 5580,4007.36 5580,0 0,0 0,4007.36

## Keep-outs
Keep-Out Layer:
  the board outline again, w10

## Silkscreen, mask and mechanical layers (free items; w line width, h text height)
Top Overlay:
  text "+" at 1270,3900 h40
  text "+" at 540,3750 h40 r180
  text "+" at 1085,3665 h40 r90
  text "+" at 1790,3665 h40
  text "5V" at 5170,3625 h40 r90
  text "VCC" at 3440,3590 h40
  text "DIO" at 3575,3590 h40
  text "CLK" at 3695,3590 h40
  text "GND" at 3825,3590 h40
  text "TX" at 5170,3510 h40 r90
  text "RX" at 5165,3405 h40 r90
  text "GND" at 5165,3260 h40 r90
  text "+" at 330,3110 h40
  text "GND" at 5165,2995 h40 r90
  text "RX" at 5165,2895 h40 r90
  text "+" at 1260,2795 h40
  text "TX" at 5165,2790 h40 r90
  text "3V3" at 5165,2645 h40 r90
  text "+" at 895,2415 h40
  text "GND" at 5170,2345 h40 r90
  text "RX" at 5170,2260 h40 r90
  text "+" at 275,2165 h40
  text "TX" at 5170,2165 h40 r90
  text "3V3" at 5170,2035 h40 r90
  text "+" at 275,2020 h40
  text "+" at 275,1870 h40
  text "+" at 275,1730 h40
  text "+" at 4485,1645 h40
  text "+" at 1735,1590 h40
  text "RST" at 5005,1590 h30
  text "PWD" at 5100,1590 h30
  text "D1" at 5005,1485 h30
  text "D0" at 5100,1485 h30
  text "综合测试台_DB" at 79.93,1460 h80
  text "D3" at 5005,1390 h30
  text "D2" at 5100,1390 h30
  text "Peng Wei CASITI" at 80,1360 h80
  text "D5" at 5005,1290 h30
  text "D4" at 5100,1290 h30
  text "2018年7月10日" at 79.93,1260 h80
  text "D7" at 5005,1190 h30
  text "D6" at 5100,1190 h30
  text "3V3" at 450,1135 h40 r270
  text "PCL" at 5005,1095 h30
  text "XCL" at 5100,1095 h30
  text "TX" at 450,1000 h40 r270
  text "USY" at 5005,995 h30
  text "HRE" at 5100,995 h30
  text "SIC" at 5005,895 h30
  text "SID" at 5100,895 h30
  text "RX" at 450,890 h40 r270
  text "3V3" at 5005,795 h30
  text "GND" at 5100,795 h30
  text "GND" at 450,790 h40 r270
  text "GND" at 2005,550 h40
  text "TEMP" at 2135,550 h40
  text "5V" at 2330,550 h40
  text "1" at 2655,550 h40
  text "2" at 2750,550 h40
  text "GND" at 2825,550 h40
  text "1" at 3220,550 h40
  text "2" at 3315,550 h40
  text "GND" at 3705,550 h40
  text "TEMP" at 3835,550 h40
  text "5V" at 4030,550 h40
  text "GND" at 215,545 h40
  text "DT" at 350,545 h40
  text "SCK" at 440,545 h40
  text "3V3" at 570,545 h40
  text "1" at 950,545 h40
  text "2" at 1045,545 h40
  text "GND" at 1120,545 h40
  text "1" at 1520,545 h40
  text "2" at 1615,545 h40
  text "+" at 4535,-1710 h40

## Dimensions
0,0 to 0,4007.36 on Top Overlay
0,0 to 5580,0 on Top Overlay

## Text inside footprints (layer, text, board x,y; h text height)
Camera: Top Overlay "18" at 5260,1685 h50 r90; Top Overlay "17" at 5360,1685 h50 r90; Top Overlay "1" at 5360,705 h50 r90; Top Overlay "2" at 5260,685 h50 r90
Wind_Speed: Top Overlay "D+" at 4863.66,415.39 h31.5 r90; Top Overlay "D-" at 4765.24,415.39 h31.5 r90; Top Overlay "GND" at 4962.09,399.65 h31.5 r90; Top Overlay "VCC" at 4666.81,399.65 h31.5 r90